# Altium PCB PCB-Tester-Relay-Board.PcbDoc (part 4 of 4)
Units mm, origin at the board's own origin, x right, y up, seen from the top; angles counter-clockwise.
Board outline 165 x 129 mm, 8 copper layers (Top Layer, Inner1, Inner2, Inner3, Inner4, Inner5, Inner6, Bottom Layer), stack 1.516 mm thick; 429 components, 373 nets, 1663 pads, 713 vias.
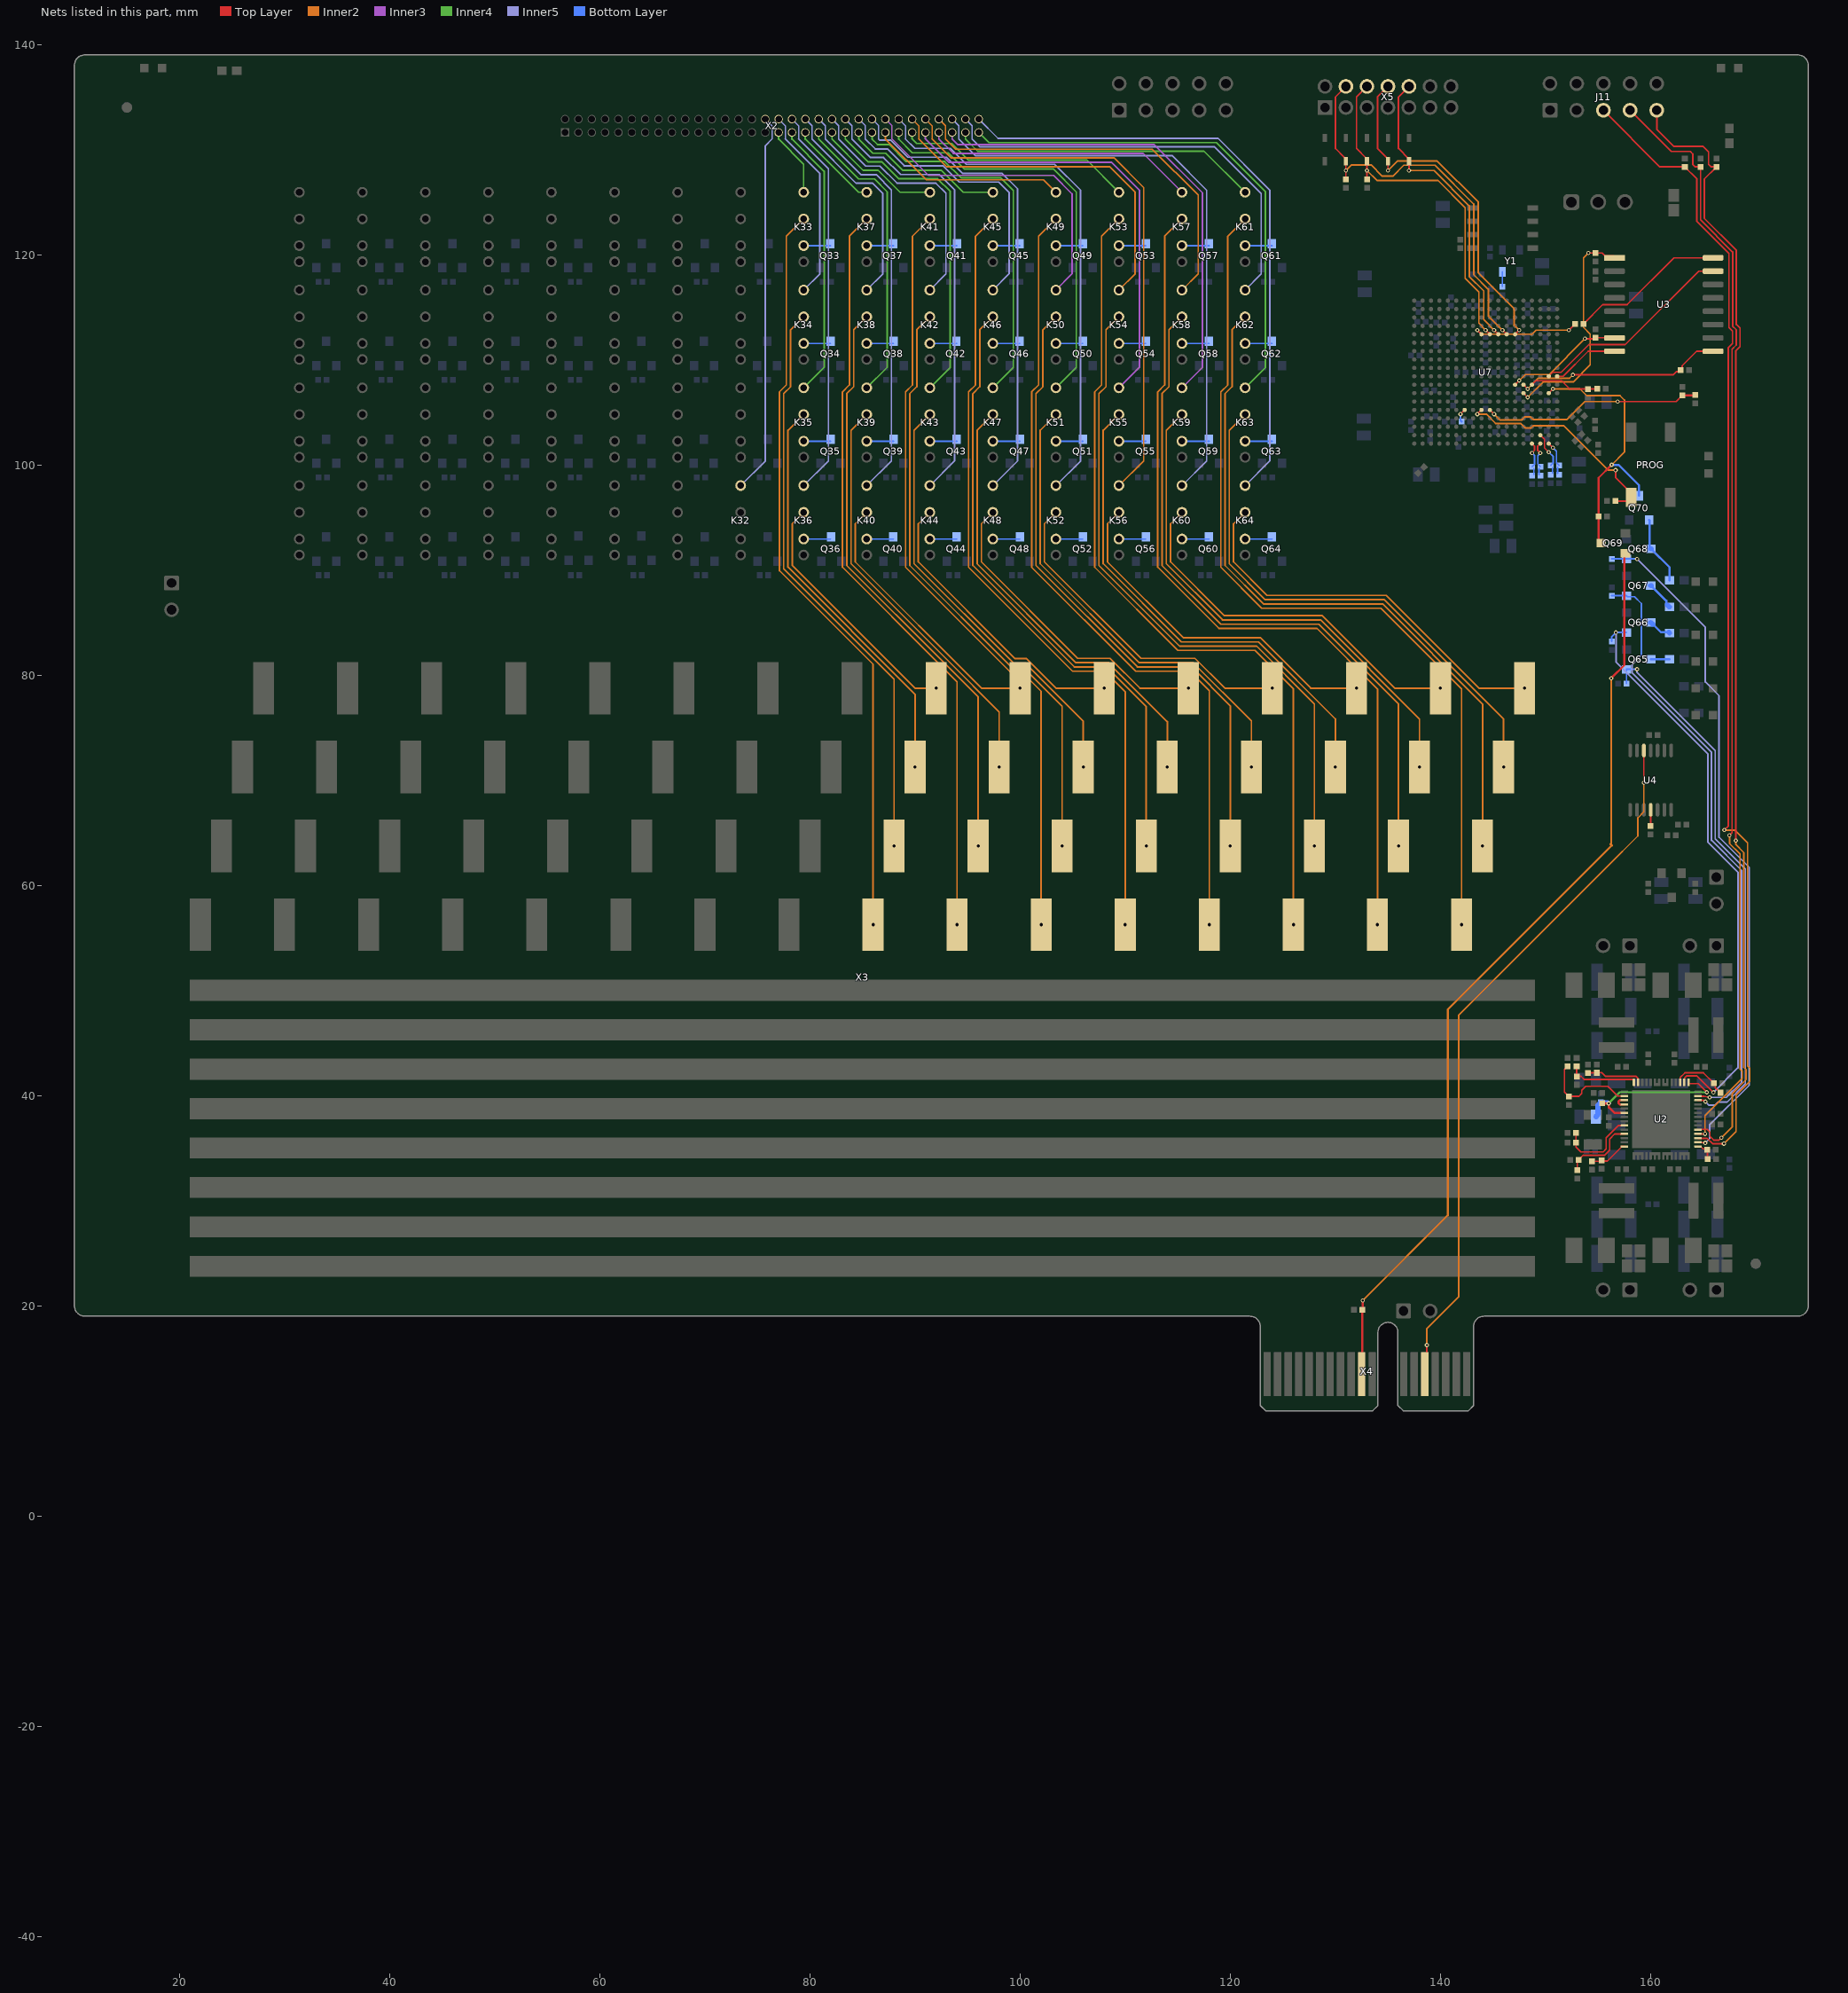
[diagram p10: the nets of this part, all layers, seen from the top]

## Via types
v1: diameter 0.4, hole 0.2, Top Layer to Bottom Layer, 631 vias
v2: diameter 0.7, hole 0.3, Top Layer to Bottom Layer, 82 vias

## Nets (pads, with @x,y where several pads share a name; then routed paths per layer and width w, separated by ;. In a path a pad name is that pad's centre, name@x,y a point inside that pad or via, vN(x,y) a via of type N, cw(c..) or ccw(c..) an arc to the next point about the centre after c; other vN are vias at no path point) (continued)
NetK32_4: K32.4 X2.32 | length 38.5
  Inner5 w0.127: 76.379,132.253 76.379,130.995 76.379,132.253 ; 76.379,132.253 X2.32@75.744,132.888 76.379,132.253
  Inner5 w0.152: K32.4@73.402,98.024 75.75,100.373 75.75,130.366 76.379,130.995
NetK33_2: K33.2 Q33.3 | length 2.6
  Bottom Layer w0.152: K33.2@79.402,120.85 Q33.3@81.966,120.85
NetK33_3: K33.3 X3.33 | length 71.8
  Inner2 w0.152: K33.3@79.402,123.39 77.755,121.743 77.755,107.597 77.092,106.935 77.092,89.933 86,81.026 v2(86,56.25)
NetK33_4: K33.4 X2.33 | length 6.7
  Inner4 w0.152: X2.33@77.014,131.618 77.014,130.984 79.402,128.597 K33.4@79.402,125.93
NetK34_2: K34.2 Q34.3 | length 2.6
  Bottom Layer w0.152: K34.2@79.402,111.548 Q34.3@81.966,111.548
NetK34_3: K34.3 X3.34 | length 55.5
  Inner2 w0.152: K34.3@79.402,114.088 78.161,112.848 78.161,107.429 77.499,106.767 77.499,90.102 88,79.601 v2(88,63.75)
NetK34_4: K34.4 X2.34 | length 19.4
  Inner5 w0.127: 77.649,130.995 77.649,132.253 ; 77.649,132.253 X2.34@77.014,132.888 77.649,132.253
  Inner5 w0.152: 77.649,130.995 80.938,127.707 80.938,118.164 K34.4@79.402,116.628
NetK35_2: K35.2 Q35.3 | length 2.6
  Bottom Layer w0.152: K35.2@79.402,102.246 Q35.3@81.966,102.246
NetK35_3: K35.3 X3.35 | length 39.2
  Inner2 w0.152: K35.3@79.402,104.786 77.905,103.29 77.905,90.27 90,78.175 v2(90,71.25)
NetK35_4: K35.4 X2.35 | length 26.4
  Inner4 w0.152: X2.35@78.284,131.618 78.284,130.984 81.344,127.924 81.344,109.268 K35.4@79.402,107.326
NetK36_2: K36.2 Q36.3 | length 2.6
  Bottom Layer w0.152: K36.2@79.402,92.944 Q36.3@81.966,92.944
NetK36_3: K36.3 X3.36 | length 24
  Inner2 w0.152: K36.3@79.402,95.484 78.312,94.394 78.312,90.438 90,78.75 v2(92,78.75)
NetK36_4: K36.4 X2.36 | length 38.2
  Inner5 w0.127: 78.919,130.995 78.919,132.253 ; 78.919,132.253 X2.36@78.284,132.888 78.919,132.253
  Inner5 w0.152: 78.919,130.995 81.75,128.164 81.75,100.373 K36.4@79.402,98.024
NetK37_2: K37.2 Q37.3 | length 2.6
  Bottom Layer w0.152: K37.2@85.402,120.85 Q37.3@87.966,120.85
NetK37_3: K37.3 X3.37 | length 72.6
  Inner2 w0.152: K37.3@85.402,123.39 83.755,121.743 83.755,107.597 83.092,106.935 83.092,90.258 92.425,80.925 94,79.351 v2(94,56.25)
NetK37_4: K37.4 X2.37 | length 8.6
  Inner4 w0.152: X2.37@79.554,131.618 79.554,130.984 84.608,125.93 K37.4@85.402,125.93
NetK38_2: K38.2 Q38.3 | length 2.6
  Bottom Layer w0.152: K38.2@85.402,111.548 Q38.3@87.966,111.548
NetK38_3: K38.3 X3.38 | length 56.3
  Inner2 w0.152: K38.3@85.402,114.088 84.161,112.848 84.161,107.429 83.499,106.767 83.499,90.426 92.713,81.213 96,77.925 v2(96,63.75)
NetK38_4: K38.4 X2.38 | length 20.9
  Inner5 w0.127: X2.38@79.554,132.888 80.189,132.253 80.189,130.995
  Inner5 w0.152: 80.189,130.995 84.395,126.789 85.961,126.789 86.938,125.812 86.938,118.164 K38.4@85.402,116.628
NetK39_2: K39.2 Q39.3 | length 2.6
  Bottom Layer w0.152: K39.2@85.402,102.246 Q39.3@87.966,102.246
NetK39_3: K39.3 X3.39 | length 40
  Inner2 w0.152: K39.3@85.402,104.786 83.905,103.29 83.905,90.595 93,81.5 98,76.5 v2(98,71.25)
NetK39_4: K39.4 X2.39 | length 28.7
  Inner4 w0.152: X2.39@80.824,131.618 80.824,130.984 84.613,127.196 86.129,127.196 87.344,125.981 87.344,109.268 K39.4@85.402,107.326
NetK40_2: K40.2 Q40.3 | length 2.6
  Bottom Layer w0.152: K40.2@85.402,92.944 Q40.3@87.966,92.944
NetK40_3: K40.3 X3.40 | length 25.8
  Inner2 w0.152: K40.3@85.402,95.484 84.312,94.394 84.312,90.763 96.325,78.75 v2(100,78.75)
NetK40_4: K40.4 X2.40 | length 39.6
  Inner5 w0.127: X2.40@80.824,132.888 81.459,132.253 81.459,130.995
  Inner5 w0.152: 81.459,130.995 84.852,127.602 86.297,127.602 87.75,126.149 87.75,100.373 K40.4@85.402,98.024
NetK41_2: K41.2 Q41.3 | length 2.6
  Bottom Layer w0.152: K41.2@91.402,120.85 Q41.3@93.966,120.85
NetK41_3: K41.3 X3.41 | length 74.1
  Inner2 w0.152: K41.3@91.402,123.39 89.755,121.743 89.755,107.597 89.092,106.935 89.092,90.258 99.007,80.344 100.1,80.344 102,78.444 v2(102,56.25)
NetK41_4: K41.4 X2.41 | length 12
  Inner4 w0.152: X2.41@82.094,131.618 82.094,130.984 85.057,128.021 86.479,128.021 88.57,125.93 K41.4@91.402,125.93
NetK42_2: K42.2 Q42.3 | length 2.6
  Bottom Layer w0.152: K42.2@91.402,111.548 Q42.3@93.966,111.548
NetK42_3: K42.3 X3.42 | length 57.8
  Inner2 w0.152: K42.3@91.402,114.088 90.161,112.848 90.161,107.429 89.499,106.767 89.499,90.426 99.175,80.75 100.268,80.75 104,77.018 v2(104,63.75)
NetK42_4: K42.4 X2.42 | length 24.3
  Inner5 w0.127: X2.42@82.094,132.888 82.729,132.253 82.729,130.995
  Inner5 w0.152: 82.729,130.995 85.305,128.419 86.668,128.419 88.288,126.799 91.977,126.799 92.938,125.839 92.938,118.164 K42.4@91.402,116.628
NetK43_2: K43.2 Q43.3 | length 2.6
  Bottom Layer w0.152: K43.2@91.402,102.246 Q43.3@93.966,102.246
NetK43_3: K43.3 X3.43 | length 41.5
  Inner2 w0.152: K43.3@91.402,104.786 89.905,103.29 89.905,90.595 99.344,81.156 100.437,81.156 106,75.593 v2(106,71.25)
NetK43_4: K43.4 X2.43 | length 32.2
  Inner4 w0.152: X2.43@83.364,131.618 83.364,130.984 85.523,128.826 86.836,128.826 88.456,127.206 92.146,127.206 93.344,126.008 93.344,109.268 K43.4@91.402,107.326
NetK44_2: K44.2 Q44.3 | length 2.6
  Bottom Layer w0.152: K44.2@91.402,92.944 Q44.3@93.966,92.944
NetK44_3: K44.3 X3.44 | length 27.8
  Inner2 w0.152: K44.3@91.402,95.484 90.312,94.394 90.312,90.763 99.512,81.563 100.605,81.563 103.418,78.75 v2(108,78.75)
NetK44_4: K44.4 X2.44 | length 43
  Inner5 w0.127: X2.44@83.364,132.888 83.999,132.253 83.999,130.995
  Inner5 w0.152: 83.999,130.995 85.762,129.232 87.005,129.232 88.625,127.612 92.314,127.612 93.75,126.176 93.75,100.373 K44.4@91.402,98.024
NetK45_2: K45.2 Q45.3 | length 2.6
  Bottom Layer w0.152: K45.2@97.402,120.85 Q45.3@99.966,120.85
NetK45_3: K45.3 X3.45 | length 76.1
  Inner2 w0.152: K45.3@97.402,123.39 95.755,121.743 95.755,107.597 95.092,106.935 95.092,90.258 104.981,80.37 108.053,80.37 110,78.422 v2(110,56.25)
NetK45_4: K45.4 X2.45 | length 15.5
  Inner4 w0.152: X2.45@84.634,131.618 84.634,130.984 85.974,129.644 87.183,129.644 88.795,128.033 92.485,128.033 94.588,125.93 K45.4@97.402,125.93
NetK46_2: K46.2 Q46.3 | length 2.6
  Bottom Layer w0.152: K46.2@97.402,111.548 Q46.3@99.966,111.548
NetK46_3: K46.3 X3.46 | length 59.8
  Inner2 w0.152: K46.3@97.402,114.088 96.161,112.848 96.161,107.429 95.499,106.767 95.499,90.426 105.149,80.776 108.221,80.776 112,76.997 v2(112,63.75)
NetK46_4: K46.4 X2.46 | length 27.9
  Inner5 w0.127: X2.46@84.634,132.888 85.269,132.253 85.269,130.995
  Inner5 w0.152: 85.269,130.995 86.207,130.057 87.354,130.057 88.959,128.453 92.659,128.453 94.21,126.902 97.954,126.902 98.938,125.918 98.938,118.164 K46.4@97.402,116.628
NetK47_2: K47.2 Q47.3 | length 2.6
  Bottom Layer w0.152: K47.2@97.402,102.246 Q47.3@99.966,102.246
NetK47_3: K47.3 X3.47 | length 43.5
  Inner2 w0.152: K47.3@97.402,104.786 95.905,103.29 95.905,90.595 105.318,81.182 108.389,81.182 114,75.572 v2(114,71.25)
NetK47_4: K47.4 X2.47 | length 35.7
  Inner4 w0.152: X2.47@85.904,131.618 85.904,130.984 86.416,130.472 87.526,130.472 89.139,128.859 92.828,128.859 94.378,127.308 98.122,127.308 99.344,126.086 99.344,109.268 K47.4@97.402,107.326
NetK48_2: K48.2 Q48.3 | length 2.6
  Bottom Layer w0.152: K48.2@97.402,92.944 Q48.3@99.966,92.944
NetK48_3: K48.3 X3.48 | length 29.8
  Inner2 w0.152: K48.3@97.402,95.484 96.312,94.394 96.312,90.763 105.486,81.589 108.558,81.589 111.396,78.75 v2(116,78.75)
NetK48_4: K48.4 X2.48 | length 46.5
  Inner5 w0.127: X2.48@85.904,132.888 86.539,132.253 86.539,130.995
  Inner5 w0.152: 86.539,130.995 86.655,130.879 87.695,130.879 89.309,129.265 92.996,129.265 94.547,127.715 98.29,127.715 99.75,126.255 99.75,100.373 K48.4@97.402,98.024
NetK49_2: K49.2 Q49.3 | length 2.6
  Bottom Layer w0.152: K49.2@103.402,120.85 Q49.3@105.966,120.85
NetK49_3: K49.3 X3.49 | length 78.1
  Inner2 w0.152: K49.3@103.402,123.39 101.755,121.743 101.755,107.597 101.092,106.935 101.092,90.258 110.981,80.37 116.126,80.37 118,78.495 v2(118,56.25)
NetK49_4: K49.4 X2.49 | length 18.9
  Inner2 w0.152: X2.49@87.174,131.618 87.174,131.009 91.076,127.108 102.224,127.108 K49.4@103.402,125.93
NetK50_2: K50.2 Q50.3 | length 2.6
  Bottom Layer w0.152: K50.2@103.402,111.548 Q50.3@105.966,111.548
NetK50_3: K50.3 X3.50 | length 61.8
  Inner2 w0.152: K50.3@103.402,114.088 102.161,112.848 102.161,107.429 101.499,106.767 101.499,90.426 111.149,80.776 116.294,80.776 120,77.07 v2(120,63.75)
NetK50_4: K50.4 X2.50 | length 31.2
  Inner3 w0.127: X2.50@87.174,132.888 87.809,132.253 87.809,130.995
  Inner3 w0.152: 87.809,130.995 91.273,127.532 103.19,127.532 104.938,125.784 104.938,118.164 K50.4@103.402,116.628
NetK51_2: K51.2 Q51.3 | length 2.6
  Bottom Layer w0.152: K51.2@103.402,102.246 Q51.3@105.966,102.246
NetK51_3: K51.3 X3.51 | length 45.5
  Inner2 w0.152: K51.3@103.402,104.786 101.905,103.29 101.905,90.595 111.318,81.182 116.462,81.182 122,75.645 v2(122,71.25)
NetK51_4: K51.4 X2.51 | length 39
  Inner4 w0.152: X2.51@88.444,131.618 88.444,130.984 89.749,129.68 93.165,129.68 94.685,128.159 103.137,128.159 105.344,125.952 105.344,109.268 K51.4@103.402,107.326
NetK52_2: K52.2 Q52.3 | length 2.6
  Bottom Layer w0.152: K52.2@103.402,92.944 Q52.3@105.966,92.944
NetK52_3: K52.3 X3.52 | length 31.8
  Inner2 w0.152: K52.3@103.402,95.484 102.312,94.394 102.312,90.763 111.486,81.589 116.631,81.589 119.47,78.75 v2(124,78.75)
NetK52_4: K52.4 X2.52 | length 49.9
  Inner5 w0.127: X2.52@88.444,132.888 89.079,132.253 89.079,130.995
  Inner5 w0.152: 89.079,130.995 89.969,130.106 93.346,130.106 94.867,128.585 103.285,128.585 105.75,126.12 105.75,100.373 K52.4@103.402,98.024
NetK53_2: K53.2 Q53.3 | length 2.6
  Bottom Layer w0.152: K53.2@109.402,120.85 Q53.3@111.966,120.85
NetK53_3: K53.3 X3.53 | length 80.2
  Inner2 w0.152: K53.3@109.402,123.39 107.755,121.743 107.755,107.597 107.092,106.935 107.092,90.258 115.007,82.344 122.332,82.344 126,78.675 v2(126,56.25)
NetK53_4: K53.4 X2.53 | length 22.4
  Inner4 w0.152: X2.53@89.714,131.618 89.714,130.991 90.14,130.565 93.482,130.565 95.048,128.999 106.333,128.999 K53.4@109.402,125.93
NetK54_2: K54.2 Q54.3 | length 2.6
  Bottom Layer w0.152: K54.2@109.402,111.548 Q54.3@111.966,111.548
NetK54_3: K54.3 X3.54 | length 63.9
  Inner2 w0.152: K54.3@109.402,114.088 108.161,112.848 108.161,107.429 107.499,106.767 107.499,90.426 115.175,82.75 122.5,82.75 128,77.25 v2(128,63.75)
NetK54_4: K54.4 X2.54 | length 34.8
  Inner2 w0.127: X2.54@89.714,132.888 90.349,132.253 90.349,130.995
  Inner2 w0.152: 90.349,130.995 92.983,128.361 108.495,128.361 110.938,125.919 110.938,118.164 K54.4@109.402,116.628
NetK55_2: K55.2 Q55.3 | length 2.6
  Bottom Layer w0.152: K55.2@109.402,102.246 Q55.3@111.966,102.246
NetK55_3: K55.3 X3.55 | length 47.6
  Inner2 w0.152: K55.3@109.402,104.786 107.905,103.29 107.905,90.595 115.344,83.156 122.668,83.156 130,75.825 v2(130,71.25)
NetK55_4: K55.4 X2.55 | length 42.6
  Inner3 w0.152: X2.55@90.984,131.618 90.984,130.996 93.188,128.792 108.688,128.792 111.344,126.136 111.344,109.268 K55.4@109.402,107.326
NetK56_2: K56.2 Q56.3 | length 2.6
  Bottom Layer w0.152: K56.2@109.402,92.944 Q56.3@111.966,92.944
NetK56_3: K56.3 X3.56 | length 33.8
  Inner2 w0.152: K56.3@109.402,95.484 108.312,94.394 108.312,90.763 115.512,83.563 122.837,83.563 127.649,78.75 v2(132,78.75)
NetK56_4: K56.4 X2.56 | length 53.5
  Inner2 w0.127: X2.56@90.984,132.888 91.619,132.253 91.619,130.995
  Inner2 w0.152: 91.619,130.995 93.407,129.207 108.919,129.207 111.75,126.376 111.75,100.373 K56.4@109.402,98.024
NetK57_2: K57.2 Q57.3 | length 2.6
  Bottom Layer w0.152: K57.2@115.402,120.85 Q57.3@117.966,120.85
NetK57_3: K57.3 X3.57 | length 82.2
  Inner2 w0.152: K57.3@115.402,123.39 113.755,121.743 113.755,107.597 113.092,106.935 113.092,90.258 118.913,84.437 128.238,84.437 134,78.675 v2(134,56.25)
NetK57_4: K57.4 X2.57 | length 25.9
  Inner3 w0.152: X2.57@92.254,131.618 92.254,131.009 93.64,129.624 111.708,129.624 K57.4@115.402,125.93
NetK58_2: K58.2 Q58.3 | length 2.6
  Bottom Layer w0.152: K58.2@115.402,111.548 Q58.3@117.966,111.548
NetK58_3: K58.3 X3.58 | length 65.9
  Inner2 w0.152: K58.3@115.402,114.088 114.161,112.848 114.161,107.429 113.499,106.767 113.499,90.426 119.082,84.844 128.406,84.844 136,77.25 v2(136,63.75)
NetK58_4: K58.4 X2.58 | length 38.1
  Inner2 w0.127: X2.58@92.254,132.888 92.889,132.253 92.889,130.995
  Inner2 w0.152: 92.889,130.995 93.853,130.031 112.569,130.031 116.938,125.663 116.938,118.164 K58.4@115.402,116.628
NetK59_2: K59.2 Q59.3 | length 2.6
  Bottom Layer w0.152: K59.2@115.402,102.246 Q59.3@117.966,102.246
NetK59_3: K59.3 X3.59 | length 49.6
  Inner2 w0.152: K59.3@115.402,104.786 113.905,103.29 113.905,90.595 119.25,85.25 128.575,85.25 138,75.825 v2(138,71.25)
NetK59_4: K59.4 X2.59 | length 45.9
  Inner3 w0.152: X2.59@93.524,131.618 93.524,131.009 94.075,130.459 112.765,130.459 117.344,125.88 117.344,109.268 K59.4@115.402,107.326
NetK60_2: K60.2 Q60.3 | length 2.6
  Bottom Layer w0.152: K60.2@115.402,92.944 Q60.3@117.966,92.944
NetK60_3: K60.3 X3.60 | length 35.8
  Inner2 w0.152: K60.3@115.402,95.484 114.312,94.394 114.312,90.763 119.418,85.656 128.743,85.656 135.649,78.75 v2(140,78.75)
NetK60_4: K60.4 X2.60 | length 56.8
  Inner5 w0.127: X2.60@93.524,132.888 94.159,132.253 94.159,130.995
  Inner5 w0.152: 94.159,130.995 95.736,129.419 114.452,129.419 117.75,126.12 117.75,100.373 K60.4@115.402,98.024
NetK61_2: K61.2 Q61.3 | length 2.6
  Bottom Layer w0.152: K61.2@121.402,120.85 Q61.3@123.966,120.85
NetK61_3: K61.3 X3.61 | length 84.2
  Inner2 w0.152: K61.3@121.402,123.39 119.755,121.743 119.755,107.597 119.092,106.935 119.092,90.258 122.996,86.355 134.32,86.355 142,78.675 v2(142,56.25)
NetK61_4: K61.4 X2.61 | length 29.3
  Inner4 w0.152: X2.61@94.794,131.618 94.794,130.991 95.954,129.832 117.5,129.832 K61.4@121.402,125.93
NetK62_2: K62.2 Q62.3 | length 2.6
  Bottom Layer w0.152: K62.2@121.402,111.548 Q62.3@123.966,111.548
NetK62_3: K62.3 X3.62 | length 67.9
  Inner2 w0.152: K62.3@121.402,114.088 120.161,112.848 120.161,107.429 119.499,106.767 119.499,90.426 123.164,86.761 134.489,86.761 144,77.25 v2(144,63.75)
NetK62_4: K62.4 X2.62 | length 41.6
  Inner5 w0.127: X2.62@94.794,132.888 95.429,132.253 95.429,130.995
  Inner5 w0.152: 95.429,130.995 96.179,130.246 98.188,130.246 118.504,130.246 122.938,125.812 122.938,118.164 K62.4@121.402,116.628
NetK63_2: K63.2 Q63.3 | length 2.6
  Bottom Layer w0.152: K63.2@121.402,102.246 Q63.3@123.966,102.246
NetK63_3: K63.3 X3.63 | length 51.6
  Inner2 w0.152: K63.3@121.402,104.786 119.905,103.29 119.905,90.595 123.332,87.168 134.657,87.168 146,75.825 v2(146,71.25)
NetK63_4: K63.4 X2.63 | length 49.1
  Inner4 w0.152: X2.63@96.064,131.618 97.03,130.652 98.188,130.652 118.672,130.652 123.344,125.981 123.344,109.268 K63.4@121.402,107.326
NetK64_2: K64.2 Q64.3 | length 2.6
  Bottom Layer w0.152: K64.2@121.402,92.944 Q64.3@123.966,92.944
NetK64_3: K64.3 X3.64 | length 37.8
  Inner2 w0.152: K64.3@121.402,95.484 120.312,94.394 120.312,90.763 123.501,87.574 134.825,87.574 143.649,78.75 v2(148,78.75)
NetK64_4: K64.4 X2.64 | length 59.6
  Inner5 w0.152: X2.64@96.064,132.888 97.893,131.059 98.188,131.059 118.841,131.059 123.75,126.149 123.75,100.373 K64.4@121.402,98.024
NetPROG_1: PROG.1 R107.1 U7.P9 | length 21
  Top Layer w0.152: v1(143.5,104.821) U7.P9@143.9,105.221 ; R107.1@156.65,96.55 157.8,96.55 PROG.1@158.15,96.9 158.15,97.3 156.662,98.788 v1(156.662,99.49)
  Inner2 w0.152: v1(143.5,104.821) 144.358,104.821 145.237,103.942 147.632,103.942 148.073,103.5 148.598,103.5 148.826,103.729 151.721,103.729 155.96,99.49 v1(156.662,99.49)
NetQ65_3: Q65.3 R92.1 | length 1.8
  Bottom Layer w0.203: Q65.3@160,81.5 R92.1@161.8,81.5
NetQ66_3: Q66.3 R93.1 | length 2.2
  Bottom Layer w0.203: Q66.3@160.215,84.835 160.971,84.079 R93.1@161.721,84.079
  Bottom Layer w0.47: Q66.3@160,85 160.165,84.835 Q66.3@160.215,84.835 ; R93.1@161.721,84.079 R93.1@161.8,84
NetQ67_3: Q67.3 R94.1 | length 2.8
  Bottom Layer w0.203: Q67.3@160.05,88.5 161.488,87.062 161.488,86.762 R94.1@161.585,86.665
  Bottom Layer w0.47: Q67.3@160,88.5 Q67.3@160.05,88.5 ; R94.1@161.585,86.665 161.75,86.5 R94.1@161.8,86.5
NetQ68_3: Q68.3 Q70.1 R95.1 | length 6.6
  Bottom Layer w0.203: Q70.1@159.85,94.75 159.912,94.688 159.912,92.088 Q68.3@160,92 ; Q68.3@160.05,92 161.8,90.25 R95.1@161.8,89
  Bottom Layer w0.47: Q68.3@160,92 Q68.3@160.05,92
NetR43_1: R43.1 Y1.3 | length 1.4
  Bottom Layer w0.152: R43.1@145.892,116.963 Y1.3@145.892,118.354
NetR44_1: R44.1 R70.2 U2.41 | length 5.4
  Top Layer w0.152: R70.2@154.014,42.139 154.035,42.16 R44.1@154.862,42.16 154.877,42.175 155.332,42.175 155.672,41.836 158.598,41.836 158.766,41.667 158.766,41.284 U2.41@158.797,41.253
NetR46_1: R46.1 R47.1 U2.42 | length 6.6
  Top Layer w0.152: R46.1@152.956,42.863 152.956,41.828 R47.1@152.962,41.821 153.38,41.821 153.683,41.519 U2.42@158.366,41.519
NetR71_1: R71.1 R76.2 U2.31 | length 5.4
  Top Layer w0.152: U2.31@162.802,41.252 162.802,41.705 163.259,42.162 165.014,42.162 R71.1@166,41.177 166.147,41.029 166.147,40.763 R76.2@166.649,40.261
NetR74_1: R74.1 R75.1 U2.44 | length 9.4
  Top Layer w0.152: R74.1@152.089,42.779 151.793,42.484 151.793,40.336 R75.1@152.216,39.913 153.163,39.913 153.442,40.192 153.442,40.488 153.829,40.875 155.938,40.875 156.864,39.95 U2.44@157.5,39.95
NetR80_1: R80.1 R84.2 U2.15 | length 1.9
  Top Layer w0.152: U2.15@164.5,35.15 164.534,35.116 164.78,35.116 164.978,34.918 165.221,34.918 165.384,34.755 165.411,34.728 R84.2@165.411,33.96
NetR82_1: R82.1 R83.1 U2.51 | length 7.8
  Top Layer w0.152: R83.1@152.886,36.45 152.886,35.535 R82.1@152.892,35.528 152.892,35.104 153.36,34.636 155.484,34.636 155.763,34.915 155.763,35.984 156.928,37.15 U2.51@157.5,37.15
NetR85_1: R85.1 R91.2 U2.56 | length 3.8
  Top Layer w0.152: R91.2@154.4,33.75 155.288,33.75 R85.1@155.387,33.85 ; R85.1@155.348,33.81 155.402,33.756 155.866,33.756 U2.56@157.226,35.116 ; U2.56@157.226,35.116 157.26,35.15 U2.56@157.5,35.15
NetR89_1: R89.1 R90.1 U2.53 | length 7
  Top Layer w0.152: R90.1@153,32.9 153.026,32.926 153.026,33.757 153.589,34.32 155.626,34.32 156.096,34.79 156.096,35.864 156.582,36.35 U2.53@157.5,36.35
NetR102_2: R102.2 U4.11 | length 1.5
  Top Layer w0.152: R102.2@160,65.65 U4.11@160,67.175
NetR105_1: R105.1 U7.P7 | length 1.3
  Top Layer w0.152: v1(141.9,104.821) U7.P7@142.3,105.221
  Bottom Layer w0.203: v1(141.9,104.821) 141.9,104.221 R105.1@142,104.121
NetR106_1: R106.1 R108.1 U7.P10 | length 21.1
  Top Layer w0.152: U7.P10@144.7,105.221 v1(145.1,104.821) ; v1(156.855,106.016) 162.416,106.016 R106.1@163,106.6
  Top Layer w0.203: R106.1@163,106.6 164.2,106.6 R108.1@164.25,106.65
  Inner2 w0.152: v1(145.1,104.821) 145.645,104.276 147.755,104.276 148.045,104.566 148.562,104.566 148.806,104.321 152.047,104.321 153.742,106.016 v1(156.855,106.016)
NetR109_1: R109.1 R110.2 U7.L15 | length 6.7
  Top Layer w0.127: U7.L15@148.7,107.621 149.1,108.021 151.5,108.021
  Top Layer w0.152: 151.5,108.021 152.3,107.221
  Top Layer w0.203: 152.3,107.221 154.037,107.221 R109.1@154.902,107.221
NetR113_1: R113.1 U3.1 U7.M14 | length 21.6
  Top Layer w0.152: U7.M14@147.9,106.821 v1(148.3,106.421) ; v1(154.064,120.15) R113.1@154.75,120.15 155.379,120.15 155.645,119.884 156.376,119.884 U3.1@156.565,119.695